# Altium PCB Archimajor.PcbDoc (part 13 of 13)
Units mil, origin at the board's own origin, x right, y up, seen from the top; angles counter-clockwise.
Board outline 7480.32 x 5511.81 mil, 6 copper layers (Top Layer, Top GND, Power Plane, Mid1, Bot GND, Bottom Layer), stack 69.913 mil thick; 1038 components, 682 nets, 3229 pads, 2870 vias.
Unrouted connection lines stored in the file: 97.
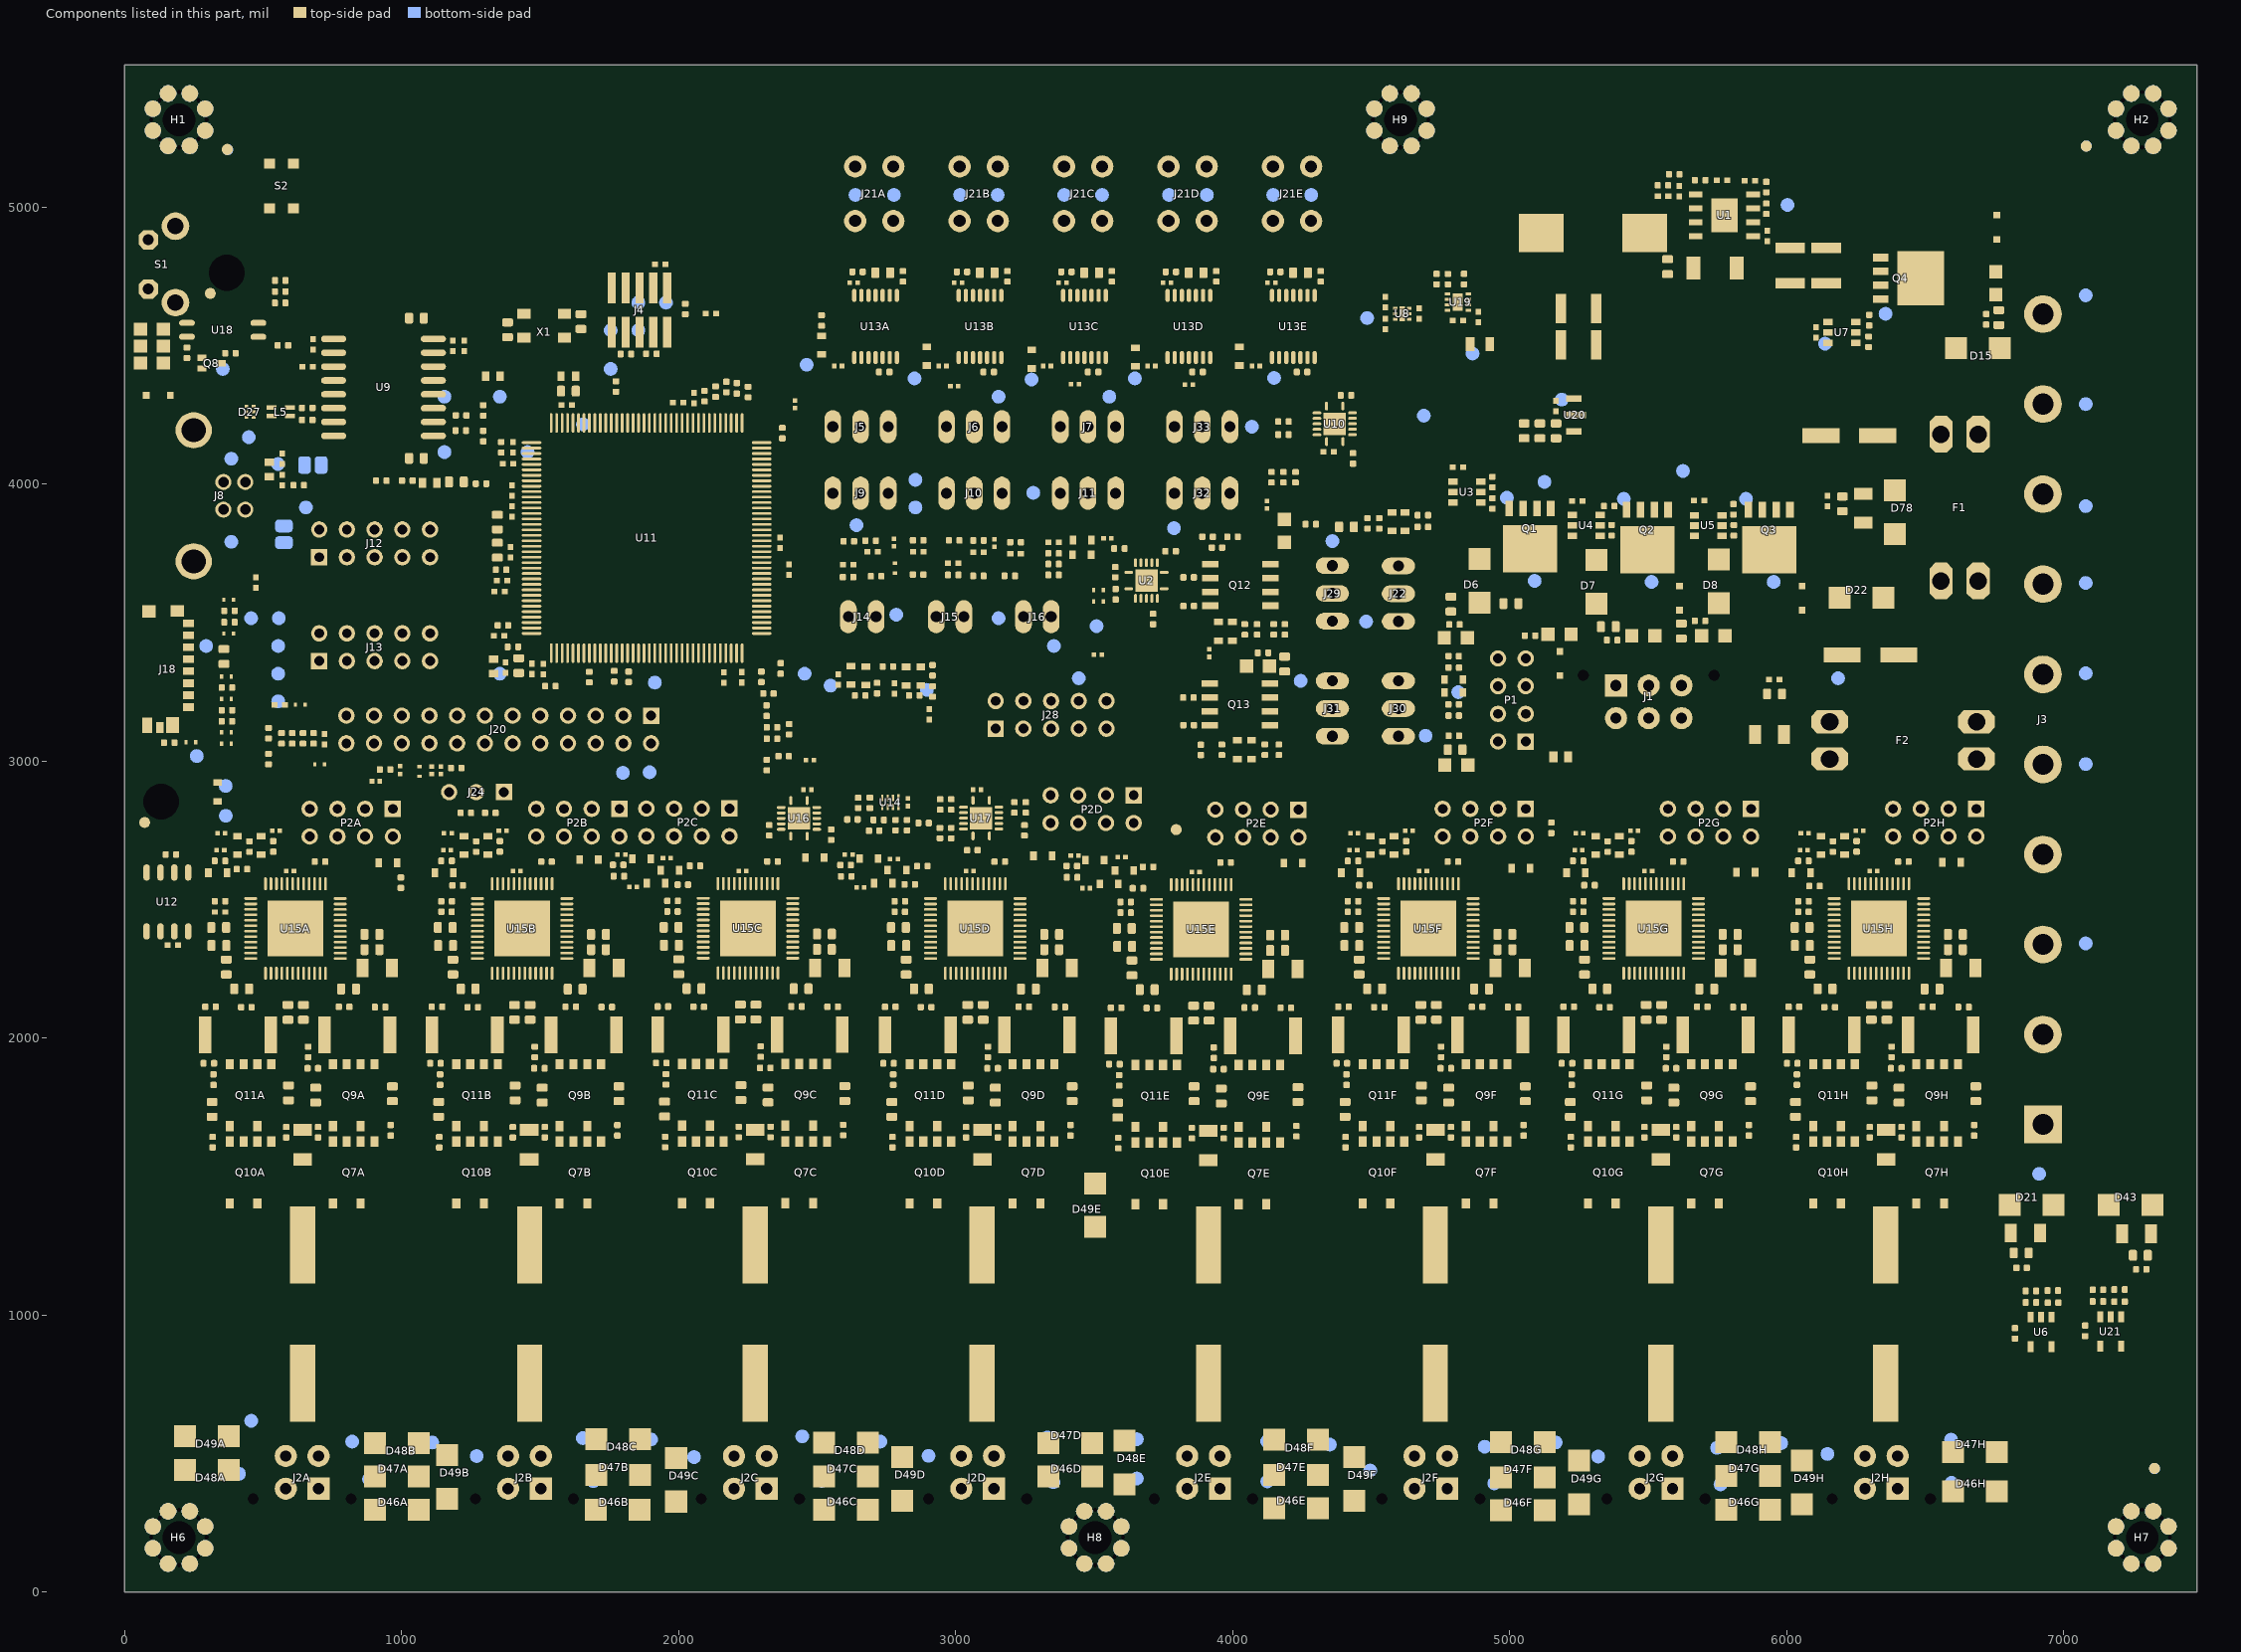
[diagram p17: the components of this part, seen from the top]

## Silkscreen, mask and mechanical layers (free items; w line width, h text height) (continued)
Bottom Overlay:
  text "TMS/SWDIO" at 1942.98,4690.67 h20 r270
  text "3.3VCC" at 4417.14,4667.27 h20 r270
  text "SWO/TDO" at 1788.54,4650.89 h30 r270
  text "HTBD OUT -" at 7427.4,4602.53 h30
  text "TDI" at 1648.14,4523.75 h30 r270
  text "5V0_AUX" at 5240.82,4394.27 h20
  text "Ymin" at 3219.76,4349.65 h20
  text "VDDOUT" at 1805.7,4314.71 h20
  text "TCK/SWCLK" at 1894.62,4308.47 h30 r270
  text "Z-MIN" at 3513.7,4289.41 h30
  text "X-MIN" at 2845.75,4286.66 h30
  text "Y-MIN" at 3124.73,4286.9 h30
  text "VDDPLL" at 1568.9,4286.46 h20 r270
  text "HTBD OUT +" at 7427.4,4272.59 h30
  text "3.3VIO" at 1442.91,4254.97 h20
  text "3.3V" at 1241.06,4213.62 h20
  text "-" at 3903.12,4097.87 h40
  text "+" at 3804.06,4097.09 h40
  text "RESET" at 1694.16,4081.49 h30 r270
  text "Xmin" at 2893.98,4065.21 h20
  text "-" at 3901.56,4032.35 h40
  text "+" at 4002.18,4032.35 h40
  text "Zmax" at 3307.01,4014.8 h20
  text "GND" at 7217.47,3948.89 h30
  text "Y-MAX" at 3145.67,3862.25 h30
  text "Z-MAX" at 3555.94,3856.3 h30
  text "X-MAX" at 2731.04,3853.53 h30
  text "Ymax" at 2898.9,3850.64 h20
  text "VUSB" at 697.83,3773.67 h20
  text "Xmax" at 2585.91,3748.28 h20
  text "VIN BED" at 7332.43,3622.85 h30
  text "TC4" at 3835.91,3545.52 h20
  text "MCCK" at 665.63,3510.09 h20
  text "MCDA1" at 403.82,3481.54 h20
  text "ERASE" at 3649.62,3429.41 h20
  text "TC1" at 2823.6,3427.07 h20
  text "TC2" at 3176.46,3420.52 h20
  text "TC3" at 3472.72,3406.74 h20
  text "MCCDA" at 684.33,3402.8 h20
  text "MCDA0" at 418.58,3378.2 h20
  text "VDD ANA" at 1477.64,3363.43 h20
  text "MCDA3" at 512.09,3308.32 h20
  text "THERM3" at 2972.58,3303.83 h20
  text "TC2" at 2408.74,3301.43 h20
  text "THERM1" at 2698.02,3299.15 h20
  text "GND" at 7217.47,3294.47 h30
  text "5V" at 3425.47,3265.99 h30 r270
  text "GND" at 3527.83,3264.02 h30 r270
  text "UTXD" at 3127.24,3262.06 h30 r270
  text "nRST" at 3328.03,3262.06 h30 r270
  text "URXD" at 3226.65,3255.17 h30 r270
  text "MCDA2" at 688.27,3193.16 h20
  text "5V" at 3227.64,3004.18 h30 r270
  text "GND" at 3130.2,2991.39 h30 r270
  text "3.3V" at 3328.03,2967.76 h30 r270
  text "VIN VPWR" at 7332.43,2965.31 h30
  text "ERASE" at 3430.39,2925.44 h30 r270
  text "M_nCS5" at 4112.16,2872.49 h30 r270
  text "DIR5" at 3917.16,2869.37 h30 r270
  text "STEP5" at 4014.66,2867.03 h30 r270
  text "MOSFETS, / FANS, AND LOGIC" at 7412.34,2837.39 h30
  text "5V" at 4350.06,2813.21 h30
  text "GND" at 4388.28,2713.37 h30
  text "GND" at 7217.47,2653.31 h30
  text "ENCAE" at 4114.5,2539.43 h30 r270
  text "ENCNE" at 3916.38,2534.75 h30 r270
  text "ENCBE" at 4011.54,2535.53 h30 r270
  text "VIN MOT1" at 7362.42,2323.37 h30
  text "GND" at 7217.47,1998.11 h30
  text "VIN MOT2" at 7362.42,1672.07 h30
Top Solder:
  region: 429.28,4231.41 476.33,4231.41 476.33,4289.32 429.28,4289.32 429.28,4231.41 429.29,4231.41
  region: 1510.12,4159.16 1510.12,3450.32 1428.42,3450.32 1428.42,4158.96
  region: 1530.47,3430.36 2239.31,3430.36 2239.31,3349.65 1530.66,3349.65
  region: 2259.13,3456.2 2259.13,4165.01 2340.83,4165.01 2340.83,3456.35 2321.53,3456.35
  region: 2239.53,4180.36 1530.69,4180.36 1530.69,4260.09 2239.34,4260.09
Bottom Solder:
  region: 6578.05,4249.13 6578.05,4110.13 6669.05,4110.13 6669.05,4249.13
  region: 6578.05,3719.13 6578.05,3580.13 6669.05,3580.13 6669.05,3719.13
  region: 6085.59,3028.27 6224.59,3028.27 6224.59,3119.27 6085.59,3119.27
  region: 6615.59,3028.27 6754.59,3028.27 6754.59,3119.27 6615.59,3119.27
Bot Markings:
  lines w10: 1131.39,4528.53 714.84,4528.53 714.84,4171.62 1131.72,4171.62 1131.72,4528.72
  text "RoHS" at 998.8,4445.29 h40
  text "and" at 968.67,4394.75 h30
  text "UL" at 955.42,4331.39 h40
  text "markings" at 1032.79,4280.59 h30
BRD Outline:
  the board outline again, w5
Assembly Top:
  lines w11.81: -371.15,-250.71 123.03,136.81 ; 71.27,126.82 123.03,136.81 ; 102.36,83.66 123.03,136.81
  text "All Mechanical / Holes 3mm" at -704.72,-463.58 h60
Dims:
  drawing of 399 lines, arcs and shapes, not listed
  text "NOTES (UNLESS SPECIFIED OTHERWISE)" at 7866.81,5798.66 h80
  text "1. FABRICATE PCB IN ACCORDANCE WITH IPC-A-600 CLASS 2 (LATEST REVISION)" at 7965.24,5503.39 h80
  text "2. THE PCB MUST BE LEAD FREE ASSEMBLY PROCESS COMPATIBLE." at 7965.24,5208.11 h80
  text "MUST HANDLE MINIMUM 6 CYCLES - 260C FOR 10 SECONDS." at 8160.24,5052.09 h80
  text "3. LAMINATE AND PREPREG TO BE FR4 TG170" at 7965.24,4814.41 h80
  text "4. PLATING FINISH - BOTH SIDES ENIG GOLD PLATED" at 7965.24,4519.13 h80
  text "5. SOLDERMASK - BOTH SIDES GREEN" at 7965.24,4223.86 h80
  text "6. SOLDER SAMPLES TO BE PROVIDED" at 7965.24,3928.58 h80
  text "7. Ship as depanelized individual PCBs." at 7965.24,3633.31 h80
  text "8. SILKSCREEN - WHITE EPOXY INK, BOTH SIDES. NO SILK ON PADS" at 7965.24,3347.48 h80
  text "9. SUPPLIER MARKING - ON SOLDER SIDE" at 7965.24,3052.2 h80
  text "ADD ROHS LOGO" at 8162.09,2855.35 h80
  text "ADD UL MARKING AND ID" at 8162.09,2658.5 h80
  text "10. LAYER STACKUP - SEE DETAIL A" at 7965.24,2363.23 h80
  text "DETAIL A" at 7940.24,1807.09 h90
  text "File" at 8120.24,1657.09 h60
  text "Layer" at 8436.7,1652.76 h60
  text "Name" at 8846.61,1652.76 h60
  text "Material" at 9776.36,1652.76 h60
  text "Thickness" at 10636.13,1652.76 h60
  text "Constant" at 11285.96,1652.76 h60
  text "Board Layer Stack" at 11855.82,1652.76 h60
  text "Top Overlay" at 8846.61,1532.76 h60
  text "GTO" at 8130.04,1523.35 h60
  text "Top Solder" at 8846.61,1412.76 h60
  text "Solder Resist" at 9776.36,1412.76 h60
  text "0.40mil" at 10636.13,1412.76 h60
  text "4" at 11285.96,1412.76 h60
  text "GTS" at 8130.04,1403.35 h60
  text "1" at 8436.7,1292.76 h60
  text "Top Layer" at 8846.61,1292.76 h60
  text "Copper" at 9776.36,1292.76 h60
  text "3.07mil" at 10636.13,1292.76 h60
  text "GTL" at 8130.04,1283.35 h60
  text "Dielectric1" at 8846.61,1172.76 h60
  text "FR-4 TG170" at 9776.36,1172.76 h60
  text "4.72mil" at 10636.13,1172.76 h60
  text "4.2" at 11285.96,1172.76 h60
  text "2" at 8436.7,1052.76 h60
  text "Top GND" at 8846.61,1052.76 h60
  text "Copper" at 9776.36,1052.76 h60
  text "1.38mil" at 10636.13,1052.76 h60
  text "GP1" at 8142.4,1039.25 h60
  text "Dielectric3" at 8846.61,932.76 h60
  text "FR-4 TG170" at 9776.36,932.76 h60
  text "19.69mil" at 10636.13,932.76 h60
  text "4.2" at 11285.96,932.76 h60
  text "3" at 8436.7,812.76 h60
  text "Power Plane" at 8846.61,812.76 h60
  text "Copper" at 9776.36,812.76 h60
  text "1.38mil" at 10636.13,812.76 h60
  text "GP2" at 8142.4,804.25 h60
  text "Dielectric 5" at 8846.61,692.76 h60
  text "FR-4 TG170" at 9776.36,692.76 h60
  text "9.45mil" at 10636.13,692.76 h60
  text "4.2" at 11285.96,692.76 h60
  text "4" at 8436.7,572.76 h60
  text "Mid1" at 8846.61,572.76 h60
  text "Copper" at 9776.36,572.76 h60
  text "1.38mil" at 10636.13,572.76 h60
  text "G1" at 8207.4,564.25 h60
  text "Dielectric 4" at 8846.61,452.76 h60
  text "FR-4 TG170" at 9776.36,452.76 h60
  text "19.69mil" at 10636.13,452.76 h60
  text "4.2" at 11285.96,452.76 h60
  text "5" at 8436.7,332.76 h60
  text "Bot GND" at 8846.61,332.76 h60
  text "Copper" at 9776.36,332.76 h60
  text "1.38mil" at 10636.13,332.76 h60
  text "GP3" at 8140.04,318.35 h60
  text "Dielectric2" at 8846.61,212.76 h60
  text "FR-4 TG170" at 9776.36,212.76 h60
  text "4.72mil" at 10636.13,212.76 h60
  text "4.2" at 11285.96,212.76 h60
  text "6" at 8436.7,92.76 h60
  text "Bottom Layer" at 8846.61,92.76 h60
  text "Copper" at 9776.36,92.76 h60
  text "3.07mil" at 10636.13,92.76 h60
  text "GBL" at 8145.24,67.09 h60
  text "Bottom Solder" at 8846.61,-27.24 h60
  text "Solder Resist" at 9776.36,-27.24 h60
  text "0.40mil" at 10636.13,-27.24 h60
  text "4" at 11285.96,-27.24 h60
  text "GBS" at 8135.24,-47.91 h60
  text "Bottom Overlay" at 8846.61,-147.24 h60
  text "GBO" at 8135.24,-162.91 h60

## Dimensions
196.85,5314.96 to 0,5511.81 on Assembly Top
131.89,2852.76 to 196.85,5314.96 on Assembly Top
196.85,196.85 to 131.89,2852.76 on Assembly Top
0,0 to 196.85,196.85 on Assembly Top
7283.46,5314.96 to 7480.31,5511.81 on Assembly Top
4606.3,5314.96 to 7283.46,5314.96 on Assembly Top
196.85,5314.96 to 4606.3,5314.96 on Assembly Top
196.85,5314.96 to 0,5511.81 on Assembly Top
7283.46,196.85 to 7480.31,0 on Assembly Top
3503.94,196.85 to 7283.46,196.85 on Assembly Top
196.85,196.85 to 3503.94,196.85 on Assembly Top
0,0 to 196.85,196.85 on Assembly Top
0,0 to 0,5511.81 on Assembly Top
0,0 to 7480.31,0 on Assembly Top

## Text inside footprints (layer, text, board x,y; h text height)
J3: Top Overlay "1" at 6807.06,1551.17 h60 r90
J5: Mechanical 8 "1" at 2819.5,4269.03 h62 r180
J6: Mechanical 8 "1" at 3230,4269.03 h62 r180
J7: Mechanical 8 "1" at 3640.5,4269.03 h62 r180
J9: Mechanical 8 "1" at 2494.5,3904.03 h62
J10: Mechanical 8 "1" at 2905,3904.03 h62
J11: Mechanical 8 "1" at 3315.5,3904.03 h62
J12: Top Overlay "1" at 623,3715.46 h50
J13: Top Overlay "1" at 623,3340.53 h50
J14: Mechanical 8 "1" at 2550.5,3458.03 h62
J15: Mechanical 8 "1" at 2867.5,3458.03 h62
J16: Mechanical 8 "1" at 3182.5,3458.03 h62
J20: Top Overlay "1" at 1972.44,3178.2 h30
J22: Mechanical 8 "1" at 4660.92,3441.24 h62 r90
J28: Top Overlay "1" at 3095.04,2955.95 h50 r90
J29: Mechanical 8 "1" at 4297.74,3767.22 h62 r270
J30: Mechanical 8 "1" at 4660.92,3026.48 h62 r90
J31: Mechanical 8 "1" at 4297.74,3351.48 h62 r270
J32: Mechanical 8 "1" at 3727.85,3904.03 h62
J33: Mechanical 8 "1" at 4052.85,4269.03 h62 r180
P2A: Top Overlay "1" at 1037.4,2803.85 h50
P2B: Top Overlay "1" at 1775.28,2892.77 h50
P2C: Top Overlay "1" at 2258.1,2827.25 h50
P2D: Top Overlay "1" at 3715.92,2856.89 h50
P2E: Top Overlay "1" at 4307.16,2804.63 h50
P2F: Top Overlay "1" at 5128.5,2817.11 h50
P2G: Top Overlay "1" at 5949.84,2805.41 h50
P2H: Top Overlay "1" at 6754.8,2805.41 h50
U11: Top Overlay "R" at 1833.56,3657.36 h37.2 r270; Top Overlay "TQFP 144" at 1778.05,3901.99 h49.6 r270